# Allegro board PCIE_FIBER_BOARD-1116.brd (continued)
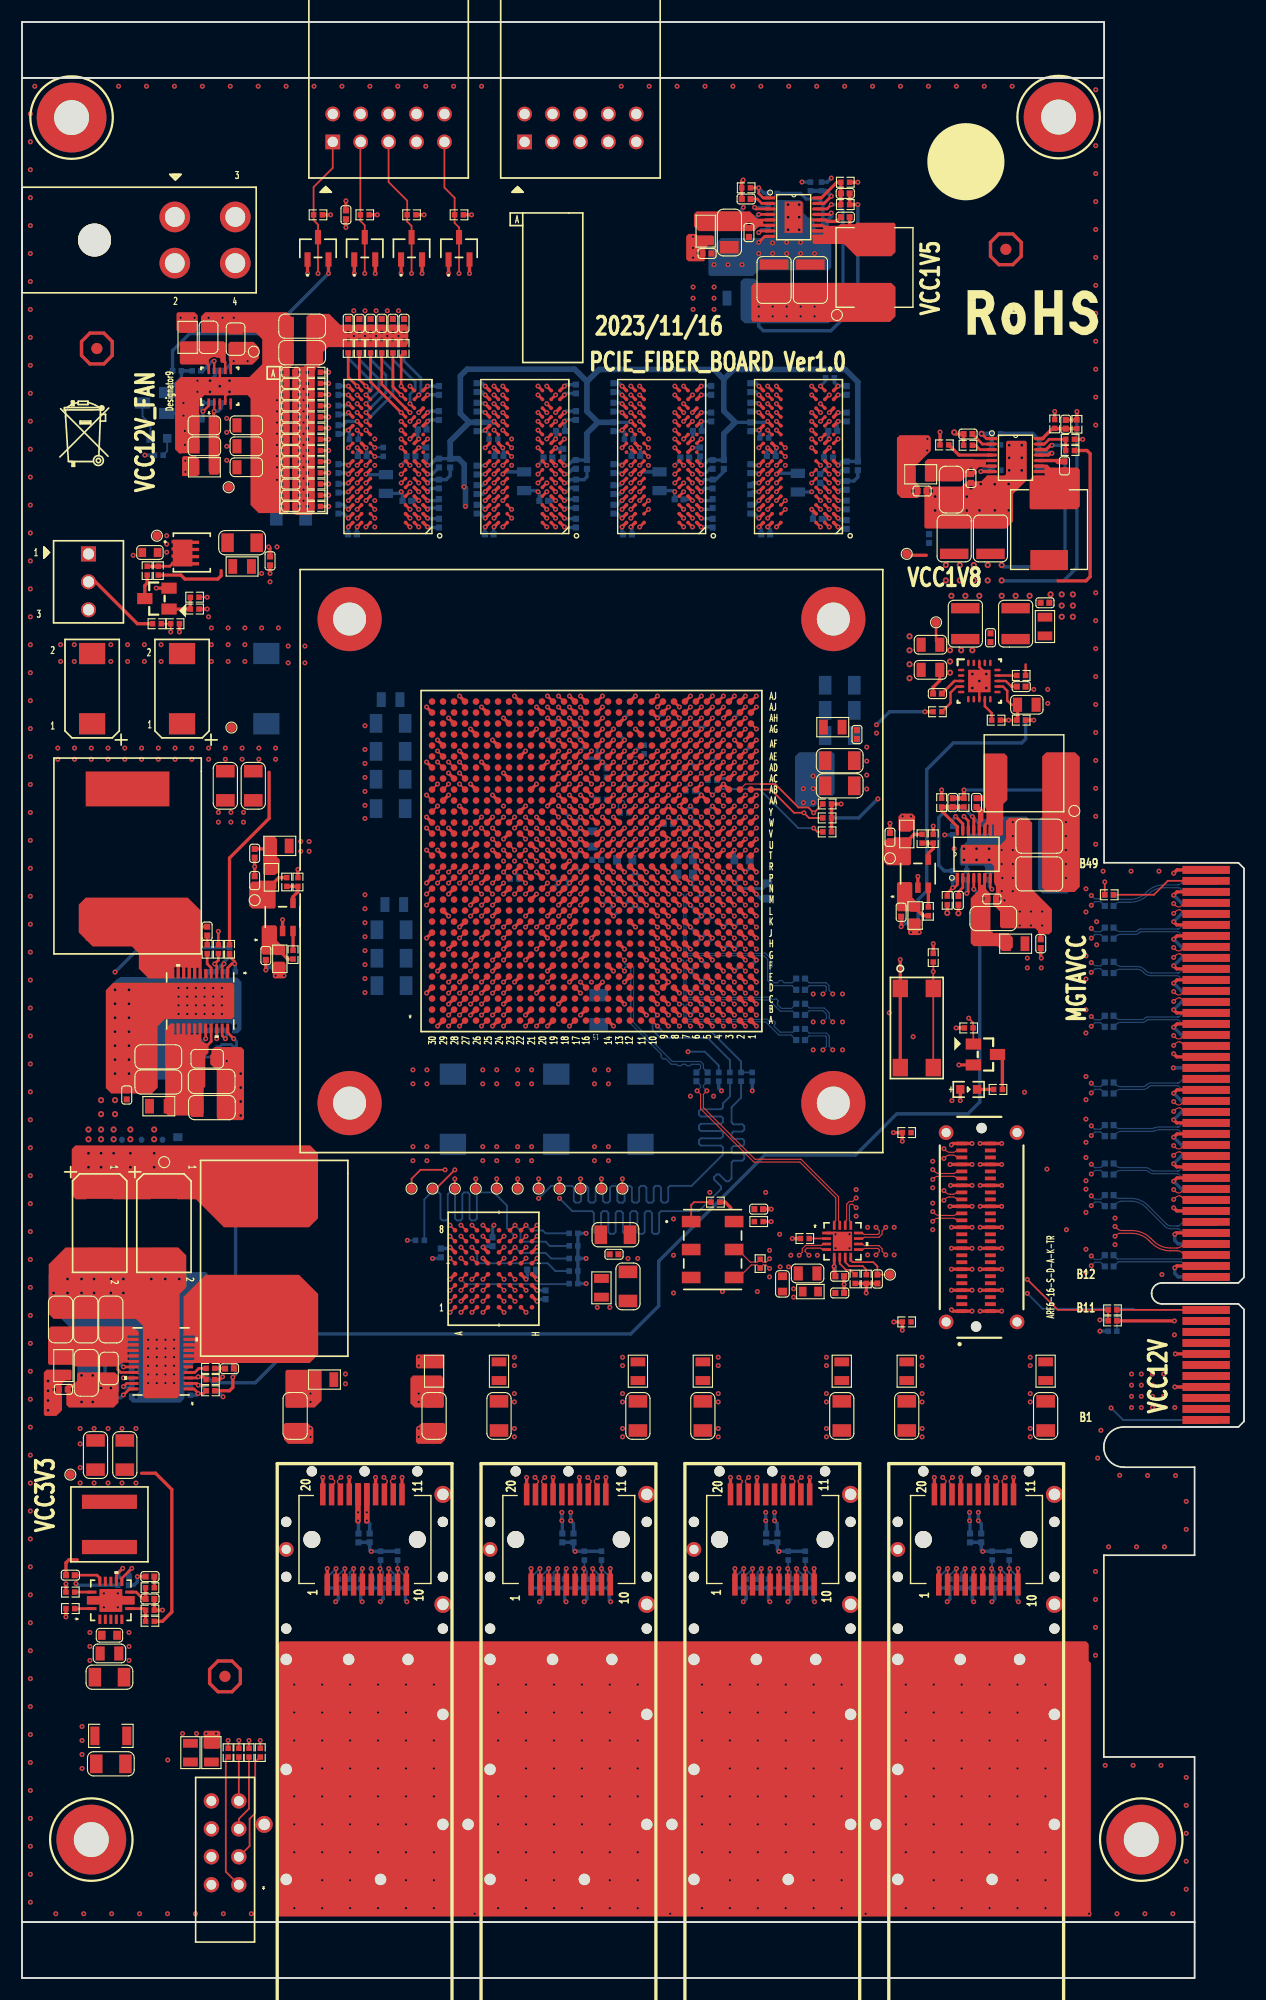
[diagram p0: board, top side]
## Routing (per net, layer and track width the routed paths; a pad name or vN(x,y) marks a point on that pad's centre or on a via; arc(x,y) is an arc through that point) (continued)
  BOTTOM w0.104: C2479.1 98.15,95.14 arc(98.12,95.12) 98.08,95.11 97.6,95.11 arc(97.56,95.12) 97.53,95.14 v1(97.26,95.41)
PCIE_TXD_6_P: length 37.4
  TOP w0.104: U247.V2 v1(65.8,104.53)
  ART10 w0.099: v1(97.26,94.52) 97.09,94.69 arc(96.93,94.8) 96.73,94.84 96.23,94.84 arc(95.96,94.86) 95.7,94.91 arc(95.59,94.96) 95.5,95.03 91.69,98.84 arc(91.22,99.16) 90.67,99.27 89.26,99.27 arc(88.85,99.35) 88.5,99.58 88.5,99.58 arc(88.37,99.67) 88.22,99.7 84.15,99.7 arc(83.37,99.85) 82.71,100.29 81.17,101.84 arc(80.45,102.32) 79.6,102.49 71.61,102.49 arc(70.69,102.67) 69.9,103.2 69.82,103.28 arc(69.13,103.74) 68.32,103.9 67.58,103.9 arc(67.54,103.91) 67.51,103.93 66.5,103.93 arc(66.29,104.02) 66.2,104.23 66.2,104.43 arc(66.17,104.5) 66.1,104.53 v1(65.8,104.53)
  BOTTOM w0.104: C2478.1 98.14,94.83 arc(98.1,94.85) 98.06,94.86 97.64,94.86 arc(97.6,94.85) 97.56,94.83 v1(97.26,94.52)
PCIE_TXD_7_N: length 37.1
  TOP w0.104: U247.Y1 v1(66.8,106.53)
  ART10 w0.099: v1(97.26,98.4) 97.09,98.23 arc(96.93,98.12) 96.73,98.08 96.44,98.08 arc(95.99,98.17) 95.61,98.42 94.05,99.99 arc(93.12,100.61) 92.03,100.82 85.97,100.82 arc(85.27,100.96) 84.67,101.36 83.13,102.91 arc(82.32,103.44) 81.38,103.63 72.02,103.63 arc(71.17,103.8) 70.45,104.28 70.09,104.64 arc(70.07,104.69) 70.09,104.74 arc(70.11,104.79) 70.09,104.85 69.91,105.02 arc(69.86,105.04) 69.81,105.02 arc(69.76,105) 69.71,105.02 69.53,105.2 arc(69.51,105.25) 69.53,105.3 arc(69.55,105.36) 69.53,105.41 69.35,105.58 arc(69.3,105.61) 69.25,105.58 arc(69.2,105.56) 69.15,105.58 68.93,105.8 arc(68.53,106.06) 68.07,106.16 67.54,106.16 67.51,106.13 66.5,106.13 arc(66.43,106.16) 66.4,106.23 66.4,106.43 arc(66.43,106.5) 66.5,106.53 v1(66.8,106.53)
  BOTTOM w0.104: v1(97.26,98.4) 97.53,98.13 arc(97.56,98.11) 97.6,98.1 98.08,98.1 arc(98.12,98.11) 98.15,98.13 C2481.1
PCIE_TXD_7_P: length 37.1
  TOP w0.104: U247.Y2 v1(65.8,106.53)
  ART10 w0.099: v1(65.8,106.53) 66.1,106.53 arc(66.17,106.5) 66.2,106.43 66.2,106.23 arc(66.29,106.02) 66.5,105.93 67.51,105.93 67.54,105.9 68.07,105.9 arc(68.44,105.83) 68.75,105.62 70.27,104.1 arc(71.07,103.57) 72.02,103.38 81.38,103.38 arc(82.23,103.21) 82.95,102.73 84.49,101.18 arc(85.17,100.73) 85.97,100.57 92.03,100.57 arc(93.02,100.37) 93.87,99.81 95.43,98.24 arc(95.89,97.94) 96.44,97.83 96.73,97.83 arc(96.93,97.79) 97.09,97.68 v1(97.26,97.51)
  BOTTOM w0.104: C2480.1 98.11,97.83 arc(98.09,97.84) 98.06,97.84 97.64,97.84 arc(97.6,97.84) 97.56,97.81 v1(97.26,97.51)
PCIE_VCC3V3: length 5.2
  TOP w0.305: R1199.1 v1(104.82,59.73)
  vias: v1(104.82,58.46)
PCIE_WAKE_N: length 68.4
  TOP w0.165: R1199.2 R1200.1 94.21,60.73 v1(91.44,63.5) ; U247.K18 v1(48.8,95.53)
  ART03 w0.117: v1(91.44,63.5) 86.51,63.5 64.69,85.32 57.66,85.32 56.26,86.72 56.26,88.12 52.68,91.69 50.04,91.69 49.78,91.95 49.78,93.73 48.8,94.71 v1(48.8,95.53)
PCIE_WIDTH_X8: length 8.4
  TOP w0.165: R1201.1 102.95,98.46 104.22,99.73 U249.B48
SFP0_LED: length 109.7
  TOP w0.165: U247.L17 v1(49.8,96.53) ; R1219.2 v1(18.75,21.59)
  ART10 w0.117: v1(49.8,96.53) 50.44,95.89 54.1,95.89 57.28,92.71 57.28,86.61 56.88,86.21 56.88,62.84 48.49,54.46 35.32,54.46 28,47.13 25.29,47.13 22.1,43.94 22.1,21.21 21.72,20.83 19.43,20.83 18.75,21.51 v1(18.75,21.59)
SFP1_LED: length 105.9
  TOP w0.165: R1218.2 v1(21.67,21.59) ; U247.L18 v1(48.8,96.53)
  ART10 w0.117: v1(48.8,96.53) 49.28,96.05 49.28,95.38 49.66,95 53.47,95 53.72,94.74 54.23,94.74 55.88,93.09 55.88,85.85 56.49,85.24 56.49,62.97 48.38,54.86 35.17,54.86 27.83,47.52 25.04,47.52 21.67,44.15 v1(21.67,21.59)
SFP2_LED: length 103.1
  TOP w0.165: U247.K19 v1(47.8,95.53) ; R1217.2 v1(20.65,21.59)
  ART10 w0.117: v1(47.8,95.53) 47.8,95.46 49.15,94.11 52.58,94.11 54.36,92.33 54.36,83.54 55.65,82.24 55.65,71.88 53.25,69.48 53.25,62.8 47.39,56.94 35.57,56.94 26.68,48.05 24.81,48.05 20.65,43.89 v1(20.65,21.59)
SFP3_LED: length 103.7
  TOP w0.165: R1216.2 v1(19.72,21.59) ; U247.K20 v1(46.8,95.53)
  ART10 w0.117: v1(19.72,21.59) 19.72,43.69 24.47,48.43 26.34,48.43 35.2,57.29 47.19,57.29 52.75,62.84 52.75,69.63 55.14,72.03 55.14,82.24 53.21,84.17 53.21,89.93 53.1,90.04 49.53,90.04 48.9,90.68 48.9,92.2 46.86,94.23 46.86,95.38 46.8,95.44 v1(46.8,95.53)
SFP_CLK_100M_N: length 23.6
  TOP w0.104: U251.14 74.88,68.78 75.01,68.91 75.01,70.34 75.26,70.59 75.55,70.59 v1(75.87,70.91)
  ART08 w0.099: v1(73.74,84.37) 73.42,84.05 73.42,83.71 76.95,80.18 76.95,74.06 75.31,72.42 75.31,70.69 75.41,70.59 75.55,70.59 v1(75.87,70.91)
  BOTTOM w0.104: v1(73.74,84.37) 73.42,84.68 73.42,85.64 73.17,85.89 71.6,85.89 C2435.1
SFP_CLK_100M_P: length 23.6
  TOP w0.104: v1(75.87,70.02) 75.55,70.33 75.36,70.33 75.26,70.23 75.26,68.86 75.38,68.74 U251.13
  ART08 w0.099: v1(75.87,70.02) 75.55,70.33 75.31,70.33 75.06,70.58 75.06,72.53 76.7,74.17 76.7,80.07 74.91,81.86 74.8,81.86 74.66,81.86 74.51,82.02 74.51,82.27 74.35,82.43 74.24,82.43 74.1,82.43 73.94,82.58 73.94,82.83 73.79,82.99 73.68,82.99 73.54,82.99 73.38,83.14 73.38,83.39 73.17,83.6 73.17,84.05 v1(72.85,84.37)
  BOTTOM w0.104: C2436.1 71.6,85.64 73.06,85.64 73.17,85.53 73.17,84.68 v1(72.85,84.37)
TEST_REFCLK_N: length 15.4
  TOP w0.104: v1(60.8,92.53) U247.G7
  BOTTOM w0.102: 67.3,89.16 67.27,89.16 67.25,89.13 60.5,89.13 60.4,89.23 60.4,92.43 60.5,92.53 v1(60.8,92.53)
  BOTTOM w0.104: 67.3,89.16 68.05,89.16 68.27,88.94 68.41,88.94 68.47,89 68.62,89 68.77,88.85 68.77,88.71 68.71,88.64 68.71,88.5 69.07,88.14 70,88.14 C2437.2
TEST_REFCLK_P: length 15.3
  TOP w0.104: v1(59.8,92.53) U247.G8
  BOTTOM w0.102: v1(59.8,92.53) 60.1,92.53 60.2,92.43 60.2,89.15 60.42,88.93 67.25,88.93 67.27,88.9 67.3,88.9
  BOTTOM w0.104: 67.3,88.9 67.94,88.9 68.96,87.88 70.08,87.88 C2438.2
TEST_TX_0_N: length 36.7
  TOP w0.104: v1(82.84,69.67) 83.02,69.49 arc(83.21,69.36) 83.43,69.32 84.73,69.32 arc(84.84,69.34) 84.94,69.4 84.96,69.42 arc(85.05,69.48) 85.17,69.51 J3.29 ; U247.F1 v1(66.8,91.53)
  ART10 w0.099: v1(66.8,91.53) 66.5,91.53 arc(66.43,91.5) 66.4,91.43 66.4,91.23 arc(66.43,91.16) 66.5,91.13 67.33,91.13 arc(67.36,91.15) 67.39,91.16 67.57,91.16 arc(67.83,91.11) 68.04,90.96 68.35,90.65 arc(68.71,90.12) 68.83,89.48 68.83,79.13 arc(69,78.28) 69.49,77.56 73.5,73.55 arc(74.22,73.07) 75.07,72.9 76.55,72.9 arc(77.5,72.71) 78.3,72.17 79.99,70.48 arc(80.08,70.44) 80.17,70.48 arc(80.26,70.52) 80.35,70.48 80.45,70.38 arc(80.49,70.29) 80.45,70.2 arc(80.41,70.11) 80.45,70.02 80.67,69.81 arc(81.17,69.47) 81.76,69.35 82.31,69.35 arc(82.5,69.39) 82.67,69.51 v1(82.84,69.67)
TEST_TX_0_P: length 36.7
  TOP w0.104: J3.27 85.17,68.87 arc(85.05,68.9) 84.96,68.96 84.94,68.97 arc(84.84,69.04) 84.73,69.06 83.31,69.06 arc(83.13,69.03) 82.99,68.93 v1(82.84,68.78) ; U247.F2 v1(65.8,91.53)
  ART10 w0.099: v1(65.8,91.53) 66.1,91.53 arc(66.17,91.5) 66.2,91.43 66.2,91.23 arc(66.29,91.02) 66.5,90.93 67.33,90.93 arc(67.36,90.91) 67.39,90.9 67.57,90.9 arc(67.73,90.87) 67.86,90.78 68.17,90.48 arc(68.47,90.02) 68.58,89.48 68.58,79.13 arc(68.77,78.18) 69.31,77.38 73.32,73.37 arc(74.12,72.83) 75.07,72.64 76.55,72.64 arc(77.4,72.47) 78.12,71.99 80.49,69.63 arc(81.07,69.24) 81.76,69.1 82.31,69.1 arc(82.5,69.06) 82.67,68.95 v1(82.84,68.78)
TEST_TX_1_N: length 36.5
  TOP w0.104: v1(83.85,71.58) 84.03,71.4 arc(84.2,71.29) 84.41,71.25 84.73,71.25 arc(84.83,71.27) 84.91,71.32 84.93,71.34 arc(85.01,71.39) 85.11,71.41 J3.35 ; U247.H1 v1(66.8,93.53)
  ART10 w0.099: v1(66.8,93.53) 66.5,93.53 arc(66.43,93.5) 66.4,93.43 66.4,93.23 arc(66.43,93.16) 66.5,93.13 67.14,93.13 arc(67.17,93.15) 67.2,93.16 67.38,93.16 arc(67.7,93.09) 67.97,92.91 69,91.89 arc(69.53,91.08) 69.72,90.13 69.72,80.27 arc(69.89,79.42) 70.37,78.7 74.26,74.82 arc(74.98,74.34) 75.83,74.17 78.07,74.17 arc(79.02,73.98) 79.82,73.44 80.36,72.9 arc(80.41,72.88) 80.45,72.9 arc(80.5,72.92) 80.54,72.9 80.73,72.71 arc(80.75,72.67) 80.73,72.62 arc(80.72,72.58) 80.73,72.53 80.93,72.34 arc(80.97,72.32) 81.01,72.34 arc(81.06,72.36) 81.1,72.34 81.3,72.15 arc(81.31,72.11) 81.3,72.06 81.29,72.06 arc(81.28,72.02) 81.29,71.97 81.51,71.76 arc(82.06,71.39) 82.71,71.26 83.32,71.26 arc(83.52,71.3) 83.69,71.41 v1(83.85,71.58)
TEST_TX_1_P: length 36.6
  TOP w0.104: v1(83.85,70.69) 84.01,70.85 arc(84.18,70.96) 84.37,70.99 84.69,70.99 arc(84.83,70.97) 84.94,70.89 84.95,70.88 arc(85.06,70.8) 85.19,70.78 J3.33 ; U247.H2 v1(65.8,93.53)
  ART10 w0.099: v1(65.8,93.53) 66.1,93.53 arc(66.17,93.5) 66.2,93.43 66.2,93.23 arc(66.29,93.02) 66.5,92.93 67.14,92.93 arc(67.17,92.91) 67.2,92.9 67.38,92.9 arc(67.6,92.86) 67.79,92.73 68.82,91.71 arc(69.3,90.99) 69.47,90.13 69.47,90.14 69.47,80.27 arc(69.66,79.33) 70.19,78.52 74.08,74.64 arc(74.88,74.1) 75.83,73.91 78.07,73.91 arc(78.92,73.74) 79.65,73.26 81.33,71.58 arc(81.96,71.15) 82.71,71 83.32,71 arc(83.52,70.97) 83.69,70.85 v1(83.85,70.69)
TEST_TX_2_N: length 37.3
  TOP w0.104: J3.41 85.17,73.32 arc(85.05,73.29) 84.96,73.23 84.94,73.21 arc(84.84,73.15) 84.73,73.13 83.43,73.13 arc(83.21,73.17) 83.02,73.3 v1(82.84,73.48) ; U247.J3 v1(64.8,94.53)
  ART10 w0.099: v1(64.8,94.53) 64.5,94.53 arc(64.43,94.5) 64.4,94.43 64.4,94.32 arc(64.45,94.19) 64.59,94.13 67.23,94.13 arc(67.26,94.15) 67.29,94.16 70.15,94.16 arc(71.1,93.97) 71.9,93.43 76.11,89.22 arc(76.65,88.42) 76.83,87.47 76.83,79.28 arc(77,78.43) 77.49,77.71 80.69,74.5 arc(80.74,74.48) 80.78,74.5 arc(80.83,74.52) 80.87,74.5 81.06,74.31 arc(81.08,74.27) 81.06,74.22 arc(81.04,74.18) 81.06,74.13 81.25,73.94 arc(81.3,73.92) 81.34,73.94 arc(81.39,73.96) 81.43,73.94 81.62,73.75 arc(81.64,73.71) 81.62,73.66 arc(81.61,73.62) 81.62,73.57 81.87,73.33 arc(82.05,73.21) 82.26,73.16 82.31,73.16 arc(82.5,73.2) 82.67,73.32 v1(82.84,73.48)
TEST_TX_2_P: length 37.3
  TOP w0.104: U247.J4 v1(63.8,94.53) ; J3.39 85.17,72.68 arc(85.05,72.71) 84.96,72.77 84.94,72.78 arc(84.84,72.85) 84.73,72.87 83.31,72.87 arc(83.13,72.84) 82.99,72.74 v1(82.84,72.59)
  ART10 w0.099: v1(63.8,94.53) 64.1,94.53 arc(64.17,94.5) 64.2,94.43 64.2,94.32 arc(64.31,94.04) 64.59,93.93 67.23,93.93 arc(67.26,93.91) 67.29,93.9 70.15,93.9 arc(71,93.73) 71.72,93.25 75.93,89.04 arc(76.41,88.32) 76.58,87.47 76.58,79.28 arc(76.77,78.33) 77.31,77.53 81.69,73.15 arc(81.95,72.97) 82.26,72.91 82.31,72.91 arc(82.5,72.87) 82.67,72.76 v1(82.84,72.59)
TEST_TX_3_N: length 34.1
  TOP w0.104: v1(83.85,75.39) 84.03,75.21 arc(84.2,75.1) 84.41,75.06 84.73,75.06 arc(84.83,75.08) 84.91,75.13 84.93,75.15 arc(85.01,75.2) 85.11,75.22 J3.47 ; U247.K1 v1(66.8,95.53)
  ART10 w0.099: v1(66.8,95.53) 66.5,95.53 arc(66.43,95.5) 66.4,95.43 66.4,95.32 arc(66.45,95.19) 66.59,95.13 67.61,95.13 67.64,95.16 69.85,95.16 arc(71.44,94.84) 72.79,93.94 77.13,89.6 arc(77.66,88.8) 77.85,87.85 77.85,81.16 arc(78.02,80.31) 78.5,79.59 81.63,76.46 arc(81.69,76.44) 81.74,76.46 arc(81.79,76.48) 81.84,76.46 82.02,76.28 arc(82.04,76.23) 82.02,76.18 arc(82,76.13) 82.02,76.07 82.2,75.9 arc(82.25,75.88) 82.3,75.9 arc(82.35,75.92) 82.4,75.9 82.58,75.72 arc(82.6,75.67) 82.58,75.62 arc(82.56,75.57) 82.58,75.51 82.85,75.24 arc(83.04,75.11) 83.27,75.07 83.32,75.07 arc(83.52,75.11) 83.69,75.22 v1(83.85,75.39)
TEST_TX_3_P: length 34
  TOP w0.104: J3.45 85.19,74.59 arc(85.06,74.61) 84.95,74.69 84.94,74.7 arc(84.83,74.78) 84.69,74.8 84.37,74.8 arc(84.18,74.77) 84.01,74.66 v1(83.85,74.5) ; U247.K2 v1(65.8,95.53)
  ART10 w0.099: v1(65.8,95.53) 66.1,95.53 arc(66.17,95.5) 66.2,95.43 66.2,95.32 arc(66.31,95.04) 66.59,94.93 67.61,94.93 67.64,94.9 69.85,94.9 arc(71.34,94.61) 72.61,93.76 76.95,89.42 arc(77.43,88.7) 77.6,87.85 77.6,81.16 arc(77.79,80.22) 78.32,79.41 82.67,75.06 arc(82.95,74.88) 83.27,74.81 83.32,74.81 arc(83.52,74.78) 83.69,74.66 v1(83.85,74.5)
VCXO_100M_N: length 11.9
  TOP w0.104: U251.4 72.79,66.22 72.66,66.34 71.38,66.34 71.23,66.19 71.23,66.05 v1(71.58,65.7) ; U250.5 65.1,66.22 66.24,65.07 66.88,65.07 R1205.1 67.4,65.07 67.69,65.07 v1(68,65.38)
  ART08 w0.099: v1(68,65.38) 68.31,65.06 68.39,65.06 68.58,65.26 68.58,65.76 69.36,66.55 70.98,66.55 71.26,66.26 71.26,66.02 v1(71.58,65.7)
VCXO_100M_P: length 11.9
  TOP w0.104: U251.3 72.86,66.72 72.74,66.6 71.28,66.6 70.97,66.3 70.97,65.98 v1(70.69,65.7) ; U250.4 65.2,63.68 66.35,64.82 66.85,64.82 R1205.2 67.42,64.82 67.67,64.82 v1(68,64.49)
  ART08 w0.099: v1(68,64.49) 68.31,64.81 68.49,64.81 68.83,65.15 68.83,65.66 69.47,66.29 70.87,66.29 71.01,66.16 71.01,66.02 v1(70.69,65.7)
VREG: length 20.2
  TOP w0.254: U113.18 v1(16.71,85.38) ; R1041.1 v1(17.86,95.14)
  ART10 w0.305: v1(17.86,95.14) 13.34,90.61 13.34,87.38 15.33,85.38 v1(16.71,85.38)
  BOTTOM w0.254: v1(16.71,85.38) 16.52,85.19 C1158.1 15.83,84.24 16.36,83.71 R1050.1
VRN_32: length 1.6
  TOP w0.104: U247.Y14 v1(53.8,106.53)
  BOTTOM w0.104: R160.2 53.2,107.13 v1(53.8,106.53)
VRN_33: length 2.8
  TOP w0.104: U247.Y13 v1(54.8,106.53)
  BOTTOM w0.104: R162.2 54.39,106.21 54.25,106.35 54.25,106.92 54.35,107.02 54.69,107.02 54.8,106.92 v1(54.8,106.53)
VRN_34: length 1.6
  TOP w0.104: U247.AC6 v1(61.8,109.53)
  BOTTOM w0.104: v1(61.8,109.53) 61.8,109.48 R163.2
VRP_32: length 1.6
  TOP w0.104: U247.AB14 v1(53.8,108.53)
  BOTTOM w0.104: R159.1 53.78,108.53 v1(53.8,108.53)
VRP_33: length 2.8
  TOP w0.104: U247.AD13 v1(54.8,110.53)
  BOTTOM w0.104: R161.1 56.33,111.01 55.28,111.01 v1(54.8,110.53)
VRP_34: length 1.6
  TOP w0.104: U247.AB7 v1(60.8,108.53)
  BOTTOM w0.104: R164.1 60.39,108.32 60.6,108.53 v1(60.8,108.53)
VTTDDR: length 1.2
  TOP w0.229: U23.5 18.99,142.68 ; U23.3 17.99,142.66
  vias: v1(18.62,141.77) v1(18.62,140.5) v1(18.62,139.23) v1(18.62,137.96) v1(25.61,144.44) v1(25.61,143.42) v1(25.61,142.41) v1(25.61,141.39) v1(25.61,140.37) v1(25.61,139.36) v1(25.61,138.34) v1(25.61,137.33) v1(25.61,136.31) v1(25.61,135.29) v1(25.61,134.28) v1(30.18,149.26) v1(31.2,149.26) v1(32.21,149.26) v1(33.23,149.26) v1(34.24,149.26)
VTTVREF: length 128.1
  TOP w0.229: v1(19.26,146.98) 18.99,146.71 U23.6
  TOP w0.305: U78.M8 v1(42.93,141.5) ; U247.AG8 v1(59.8,113.53) ; U247.AF16 v1(50.8,112.53) ; U76.H1 v1(74.23,137.5) ; U75.H1 v1(61.78,137.5) ; U75.M8 v1(55.38,141.5) ; U76.M8 v1(67.83,141.5) ; U247.AF13 v1(54.8,112.53) ; U247.AB13 v1(54.8,108.53) ; U247.AE14 v1(53.8,111.53) ; U247.AD7 v1(60.8,110.53) ; U78.H1 v1(49.33,137.5) ; U77.M8 v1(30.49,141.5) ; U77.H1 v1(36.89,137.5)
  ART10 w0.305: v1(20.53,146.98) 27.89,146.98 28.67,146.2 28.67,142.26 29.44,141.5 v1(30.49,141.5)
  BOTTOM w0.305: 64.87,141.41 C563.1 67.74,141.41 v1(67.83,141.5) ; C544.2 C545.1 74.58,137.85 v1(74.23,137.5) 73.76,137.97 C573.1 ; C577.1 49.23,137.61 v1(49.33,137.5) 49.66,137.5 50.14,137.98 C613.1 C576.2 ; C187.2 C507.1 62.46,137.98 61.98,137.5 v1(61.78,137.5) 61.68,137.61 C520.1 ; C461.1 55.3,108.03 v1(54.8,108.53) ; C506.1 55.29,141.41 v1(55.38,141.5) ; C491.1 54.28,113.05 v1(54.8,112.53) ; C97.1 18.39,146.11 v1(19.26,146.98) ; C585.1 36.78,137.61 v1(36.89,137.5) 37.09,137.5 37.69,138.11 C595.1 C574.2 ; C492.1 53.3,111.03 v1(53.8,111.53) ; C490.1 50.33,113 v1(50.8,112.53) ; C575.1 29.18,141.15 29.53,141.5 v1(30.49,141.5) ; C462.1 61.3,110.06 61.27,110.06 v1(60.8,110.53) ; C463.1 60.31,114.05 v1(59.8,113.53)
  BOTTOM w0.508: 51.39,145.12 51.39,142.41 52.39,141.41 ; 51.39,145.12 50.26,146.25 40.5,146.25 39.87,145.62 39.87,142.22 40.67,141.41 ; 51.39,145.12 52.49,146.22 62.95,146.22 63.83,145.33 ; 40.67,141.41 C623.1 42.84,141.41 v1(42.93,141.5) ; 40.67,141.41 38.94,139.68 C574.2 39.7,138.11 40.21,137.6 v1(40.21,135.55) 40.34,135.42 v1(40.34,133.77) ; 63.83,145.33 63.83,142.44 64.87,141.41 63.83,140.37 C187.2 ; 63.83,145.33 64.72,146.22 74.88,146.22 76.03,145.07 C544.2 ; 52.39,141.41 C506.1 ; 52.39,141.41 51.39,140.41 C576.2
XADC_AGND: length 2.1
  TOP w0.305: U247.P14 v1(53.8,99.53) ; U247.R14 v1(53.8,100.53) ; U247.T15 v1(52.8,102.53)
XADC_VCC: length 0.7
  TOP w0.305: U247.P15 v1(52.8,99.53)
$7N830: length 3.4
  TOP w0.305: Q15.3 89.17,83.5 R396.1
$7N832: length 1.5
  TOP w0.305: R396.2 DS10.2
$36N205: length 1.5
  TOP w0.165: U247.W8 v1(58.8,105.53)
  BOTTOM w0.165: R165.2 58.4,105.13 v1(58.8,105.53)
$45N24: length 3.7
  TOP w0.229: v1(16.46,142.41) 16.99,142.93 U23.1
  BOTTOM w0.305: R221.2 C271.1 16.36,142.51 v1(16.46,142.41) 16.46,141.75 R219.1
$45N300: length 3.5
  BOTTOM w0.165: Q10.3 10.96,141.94 11.69,141.22 DS18.2
$45N301: length 1.7
  BOTTOM w0.165: R87.2 13.21,138.79 DS18.1
N319534: length 1.5
  TOP w0.165: U75.L8 v1(55.38,140.7)
  BOTTOM w0.165: v1(55.38,140.7) 55.6,140.48 R458.1
N335210: length 1.3
  TOP w0.165: U76.L8 v1(67.83,140.7)
  BOTTOM w0.165: R490.1 67.92,140.61 v1(67.83,140.7)
N421789: length 1.4
  TOP w0.165: U77.L8 v1(30.49,140.7)
  BOTTOM w0.165: R492.1 30.58,140.61 v1(30.49,140.7)
N421983: length 1.5
  TOP w0.165: U78.L8 v1(42.93,140.7)
  BOTTOM w0.165: v1(42.93,140.7) 43.28,140.35 R494.1
N16671344: length 1.9
  TOP w0.254: U113.19 17.21,85.14 16.72,84.65
N16672317: length 1.7
  TOP w0.254: U113.20 v1(17.71,85.38)
  BOTTOM w0.254: v1(17.71,85.38) 17.75,85.43 R1044.2
N16672324: length 1.9
  TOP w0.254: U113.21 18.21,85.67 v1(18.5,85.38)
  BOTTOM w0.254: v1(18.5,85.38) 18.6,85.49 R1043.2
N16672331: length 4
  TOP w0.254: v1(19.26,85.38) 18.71,85.93 U113.22
  BOTTOM w0.254: R1050.2 18.2,84.85 19.05,84.85 R1042.2 19.51,84.64 19.51,85.13 v1(19.26,85.38)
N16672704: length 0.6
  TOP w0.305: 16.23,95.56 C1159.1
N16673248: length 3.2
  TOP w0.254: U113.1 18.71,91.82 19.08,92.19 v1(19.34,92.19) 19.34,92.39 18.88,92.86 R1047.1
  BOTTOM w0.305: v1(19.34,92.19) 19.4,92.13 R1046.2
N16673267: length 2
  TOP w0.254: R1049.1 16.84,92.18 17.21,91.82 U113.4
N16673329: length 0.9
  TOP w0.254: R1049.2 C1159.2
N16673629: length 2.9
  TOP w0.254: U113.2 18.21,92.03 v1(18.37,92.19)
  BOTTOM w0.305: R1048.1 17.63,91.55 18.27,92.19 v1(18.37,92.19) 18.37,92.35 R1045.2
N16716359: length 1.9
  TOP w0.254: U116.4 v1(67.01,160.31)
  BOTTOM w0.305: v1(67.01,160.31) 66.76,160.06 R1067.2
N16716559: length 8.8
  TOP w0.279: U116.13 73.48,160.31 v1(73.61,160.44)
  BOTTOM w0.305: R1071.2 70.82,162.22 71.33,161.71 72.47,161.71 72.85,161.33 72.85,159.74 C1189.1
  BOTTOM w0.381: C1189.1 73.61,160.12 v1(73.61,160.44)
N16716571: length 1.9
  TOP w0.254: C1190.1 66.88,161.71 67.28,161.31 U116.2
N16716663: length 3.5
  TOP w0.254: U116.1 67.42,161.81 67.01,162.22 v1(67.01,162.73) R1070.2
  BOTTOM w0.305: R1071.1 67.52,162.22 v1(67.01,162.73)
N16716703: length 0.8
  TOP w0.305: C1191.1 75.28,159.29
N16716707: length 2.3
  TOP w0.279: U116.12 73.1,159.81 73.23,159.68 73.36,159.68
  TOP w0.305: 73.36,159.68 74.1,159.68 C1191.2
N16716803: length 4.8
  TOP w0.279: R1073.1 74.12,163.23 72.7,161.81 U116.16
  TOP w0.305: R1072.1 C1192.1 R1073.1
N16717075: length 2.7
  TOP w0.254: U116.3 66.77,160.81 v1(66.63,160.95)
  BOTTOM w0.305: R1068.1 v1(66.63,160.95)
N16718397: length 3.6
  TOP w0.279: v1(73.61,161.96) 72.96,161.31 U116.15
  BOTTOM w0.381: v1(73.61,161.96) 73.12,162.45 R1074.2 R1075.2
N16720636: length 3.4
  TOP w0.203: U23.2 17.49,142.41 v1(17.48,142.41)
  TOP w0.305: v1(17.48,142.41) 17.44,142.37 C340.1
  BOTTOM w0.305: R221.1 18.13,142.71 17.83,142.41 v1(17.48,142.41)
N16720676: length 1.7
  TOP w0.229: U23.10 16.99,146.59 16.76,146.81 ; 18.37,146.98 18.49,146.86 U23.7
N16721374: length 2.5
  TOP w0.229: U23.9 17.49,146.97 v1(17.48,146.98)
  BOTTOM w0.305: R459.1 16.42,146.09 17.31,146.98 v1(17.48,146.98)
N16728285: length 1.9
  TOP w0.254: U118.19 8.98,55.05 8.72,55.31 8.72,55.66
N16728329: length 19.5
  TOP w0.254: U118.18 v1(9.22,55.55) ; R1091.1 17.99,54.39 v1(18.24,54.65)
  ART10 w0.305: v1(9.22,55.55) 9.22,57.1 10.79,58.67 15.62,58.67 16.64,57.66 16.64,56.25 v1(18.24,54.65)
  BOTTOM w0.305: v1(9.22,55.55) 9.03,55.74 C1217.1 8.34,56.43 7.55,55.65 R1099.1
N16728485: length 1.7
  TOP w0.254: U118.20 v1(9.22,54.55)
  BOTTOM w0.305: R1094.2 9.27,54.5 v1(9.22,54.55)
N16728493: length 4
  TOP w0.254: U118.22 9.77,53.55 v1(9.22,53)
  BOTTOM w0.305: R1099.2 8.69,54.06 8.69,53.4 8.35,53.06 R1092.2 8.48,52.74 8.97,52.74 v1(9.22,53)
N16728501: length 1.9
  TOP w0.254: v1(9.22,53.76) 9.51,54.05 U118.21
  BOTTOM w0.305: v1(9.22,53.76) 9.33,53.65 R1093.2
N16728563: length 0.7
  TOP w0.305: C1208.1 19.19,55.47 19.19,56.08 19.19,56.08
N16728607: length 2.7
  TOP w0.254: R1100.1 16.49,53.12 v1(16.01,53.12) 16.01,53.18 15.64,53.55 U118.1
  BOTTOM w0.305: v1(16.01,53.12) 15.87,52.98 R1095.2
N16728623: length 1.8
  TOP w0.254: R1098.1 16.08,55.41 15.72,55.05 U118.4
N16728663: length 0.9
  TOP w0.305: C1208.2 18.45,55.41 R1098.2
N16728745: length 1.9
  TOP w0.254: v1(16.03,53.89) 15.87,54.05 U118.2
  BOTTOM w0.305: v1(16.03,53.89) 16.26,53.89 R1101.1
N16761893: length 10.9
  TOP w0.165: U248.C6 v1(40.93,66.43)
  BOTTOM w0.165: v1(40.93,66.43) 41.4,65.95 41.4,65.14 41.57,64.97 47.8,64.97 48.51,64.26 R1155.2
N16761913: length 29.8
  TOP w0.165: U248.F7 v1(44.85,67.43)
  BOTTOM w0.165: v1(44.85,67.43) 44.11,68.16 44.11,70.22 42.92,71.41 41.54,71.41 41.37,71.24 41.37,69.03 41.21,68.87 40.88,68.87 40.71,69.03 40.71,71.24 40.55,71.41 40.22,71.41 40.05,71.24 40.05,69.03 39.88,68.87 39.55,68.87 39.39,69.03 39.39,71.24 39.22,71.41 38.89,71.41 38.73,71.24 38.73,69.03 38.56,68.87 38.23,68.87 38.07,69.03 38.07,71.24 37.9,71.41 37.23,71.41 36.6,70.78 R1157.2
N16762295: length 7.4
  TOP w0.305: U248.D6 v1(41.93,66.43) ; U248.G4 v1(45.85,63.51) ; U248.D5 v1(41.93,65.43) ; U248.H3 v1(46.85,62.51) ; U248.A6 v1(38.93,66.43) ; U248.A4 v1(38.93,63.51)
  BOTTOM w0.305: v1(38.93,66.43) 38.81,66.31 C2443.1 ; C2441.1 45.95,63.62 v1(45.85,63.51) ; C2444.1 42.03,66.53 v1(41.93,66.43) ; v1(46.85,62.51) 46.85,62.5 C2442.1
  vias: v1(52.32,60.96) v1(53.47,60.96)
N16769403: length 3.5
  TOP w0.157: P1.9 v1(89.79,37.21)
  BOTTOM w0.165: R1168.1 v1(89.79,37.21) 90.5,36.5 R1165.2
N16769415: length 3.3
  TOP w0.157: P1.7 v1(88.19,37.21)
  BOTTOM w0.165: R1164.2 88.47,36.93 v1(88.19,37.21) 88.24,37.26 R1167.1
N16769443: length 1.9
  BOTTOM w0.305: C2451.1 86.23,41.52 v1(86.19,41.57) v1(86.19,42.33)
  vias: v1(81.87,53.12) v1(81.87,52.36)
N16769469: length 2
  BOTTOM w0.305: C2449.1 87.25,41.31 v1(86.99,41.57) v1(86.99,42.33)
  vias: v1(91.71,53.12) v1(91.71,52.36)
N16769691: length 11.8
  TOP w0.279: v1(86.44,105.58) 86.57,105.44 U119.13
  BOTTOM w0.305: C1220.1 87.01,105.01 v1(86.44,105.58) 85.84,106.17 84.07,106.17 83.39,105.49 83.39,101.13 83.88,100.64 R1106.2
N16769695: length 1.8
  TOP w0.254: C1221.1 85.17,98.72 85.57,99.12 U119.2
N16769791: length 2.8
  TOP w0.254: U119.1 85.07,99.38 84.79,99.1 v1(84.66,99.1) 84.15,98.59 R1105.2
  BOTTOM w0.305: R1106.1 v1(84.66,99.1)
N16769823: length 0.9
  TOP w0.508: C1222.1 87.69,107.25
N16769839: length 2.3
  TOP w0.279: U119.12 87.07,105.06 87.2,105.19 87.2,105.32
  TOP w0.508: 87.2,105.32 87.2,106.06 C1222.2
N16769935: length 4.8
  TOP w0.279: U119.16 85.07,104.66 83.65,106.09 R1108.1
  TOP w0.381: R1107.1 C1223.1 R1108.1
N16769970: length 3.5
  TOP w0.157: P2.9 v1(34.17,37.21)
  BOTTOM w0.165: R1175.2 34.88,36.5 v1(34.17,37.21) R1178.1
N16769976: length 3.3
  TOP w0.157: P2.7 v1(32.57,37.21)
  BOTTOM w0.165: R1174.2 32.85,36.93 v1(32.57,37.21) 32.61,37.26 R1177.1
N16769990: length 1.9
  BOTTOM w0.305: v1(30.56,42.33) v1(30.56,41.57) 30.61,41.52 C2455.1
  vias: v1(26.24,53.12) v1(26.24,52.36)
N16770002: length 2
  BOTTOM w0.305: C2453.1 31.62,41.31 v1(31.36,41.57) v1(31.36,42.33)
  vias: v1(36.08,53.12) v1(36.08,52.36)
N16770219: length 2.7
  TOP w0.254: v1(85.93,98.59) 86.07,98.73 U119.3
  BOTTOM w0.254: R1103.1 v1(85.93,98.59)
N16770359: length 2.5
  TOP w0.279: v1(84.92,105.58) 85.57,104.92 U119.15
  BOTTOM w0.279: R1109.2 84.66,105.32 v1(84.92,105.58)
N16771188: length 3.5
  TOP w0.157: P4.9 v1(71.25,37.21)
  BOTTOM w0.165: R1195.2 71.96,36.5 v1(71.25,37.21) R1198.1
N16771194: length 3.3
  TOP w0.157: P4.7 v1(69.65,37.21)
  BOTTOM w0.165: R1194.2 69.93,36.93 v1(69.65,37.21) 69.7,37.26 R1197.1
N16771208: length 1.9
  BOTTOM w0.305: C2463.1 67.69,41.52 v1(67.65,41.57) v1(67.65,42.33)
  vias: v1(63.33,53.12) v1(63.33,52.36)
N16771220: length 2
  BOTTOM w0.305: C2461.1 68.71,41.31 v1(68.45,41.57) v1(68.45,42.33)
  vias: v1(73.17,53.12) v1(73.17,52.36)
N16771394: length 2
  TOP w0.229: C1229.2 90,117.39 89.49,117.89 U120.13
N16771812: length 1
  TOP w0.229: R1114.2 91.29,119.4
N16772406: length 3.5
  TOP w0.157: P3.9 v1(52.71,37.21)
  BOTTOM w0.165: R1185.2 53.42,36.5 v1(52.71,37.21) R1188.1
N16772412: length 3.3
  TOP w0.157: P3.7 v1(51.11,37.21)
  BOTTOM w0.165: R1187.1 51.16,37.26 v1(51.11,37.21) 51.39,36.93 R1179.2
N16772426: length 1.9
  BOTTOM w0.305: C2459.1 49.15,41.52 v1(49.1,41.57) v1(49.1,42.33)
  vias: v1(44.78,53.12) v1(44.78,52.36)
